# Allegro board GPS_INTERFACE_BOARDv36_PH.brd (continued)
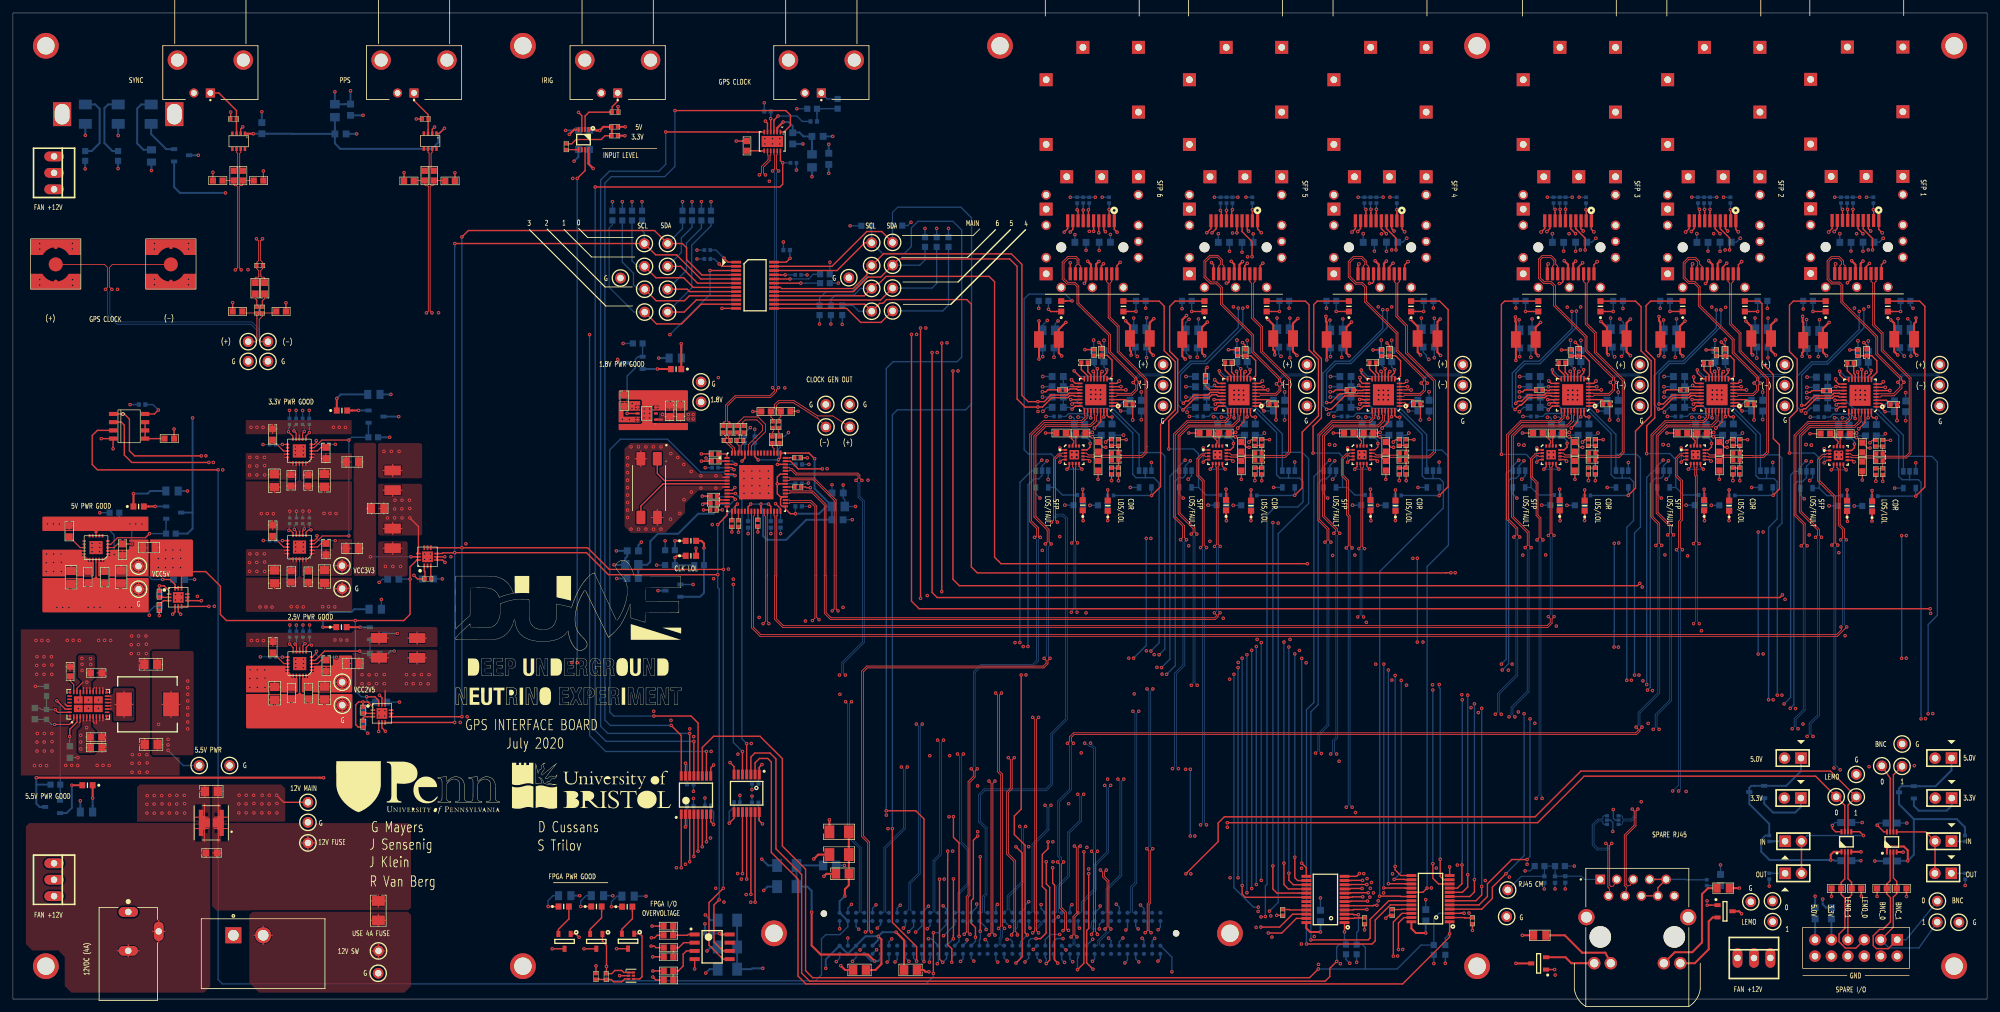
[diagram p0: board, top side]
## Nets (continued)
MOD_ABS_SFP INTERFACE_SFP6: J21.6 R232.2
N01450_SFP INTERFACE_SFP1: C152.1 U23.14
N01450_SFP INTERFACE_SFP2: C175.1 U27.14
N01450_SFP INTERFACE_SFP3: C198.1 U31.14
N01450_SFP INTERFACE_SFP4: C221.1 U35.14
N01450_SFP INTERFACE_SFP5: C244.1 U39.14
N01450_SFP INTERFACE_SFP6: C267.1 U43.14
N01454_SFP INTERFACE_SFP1: C152.2 U23.15
N01454_SFP INTERFACE_SFP2: C175.2 U27.15
N01454_SFP INTERFACE_SFP3: C198.2 U31.15
N01454_SFP INTERFACE_SFP4: C221.2 U35.15
N01454_SFP INTERFACE_SFP5: C244.2 U39.15
N01454_SFP INTERFACE_SFP6: C267.2 U43.15
N04910_SFP INTERFACE_SFP1: U22.1 U22.4
N04910_SFP INTERFACE_SFP2: U26.1 U26.4
N04910_SFP INTERFACE_SFP3: U30.1 U30.4
N04910_SFP INTERFACE_SFP4: U34.1 U34.4
N04910_SFP INTERFACE_SFP5: U38.1 U38.4
N04910_SFP INTERFACE_SFP6: U42.1 U42.4
N04977_SFP INTERFACE_SFP1: U22.5 U22.8
N04977_SFP INTERFACE_SFP2: U26.5 U26.8
N04977_SFP INTERFACE_SFP3: U30.5 U30.8
N04977_SFP INTERFACE_SFP4: U34.5 U34.8
N04977_SFP INTERFACE_SFP5: U38.5 U38.8
N04977_SFP INTERFACE_SFP6: U42.5 U42.8
N136741_SFP INTERFACE_SFP1: D17.1(CATHODE) R132.1
N136741_SFP INTERFACE_SFP2: D21.1(CATHODE) R153.1
N136741_SFP INTERFACE_SFP3: D25.1(CATHODE) R174.1
N136741_SFP INTERFACE_SFP4: D29.1(CATHODE) R195.1
N136741_SFP INTERFACE_SFP5: D33.1(CATHODE) R216.1
N136741_SFP INTERFACE_SFP6: D37.1(CATHODE) R237.1
N141568_SFP INTERFACE_SFP1: D17.2 R131.2 U24.4(Y)
N141568_SFP INTERFACE_SFP2: D21.2 R152.2 U28.4(Y)
N141568_SFP INTERFACE_SFP3: D25.2 R173.2 U32.4(Y)
N141568_SFP INTERFACE_SFP4: D29.2 R194.2 U36.4(Y)
N141568_SFP INTERFACE_SFP5: D33.2 R215.2 U40.4(Y)
N141568_SFP INTERFACE_SFP6: D37.2 R236.2 U44.4(Y)
N210584_SFP INTERFACE_SFP1: D16.1(K) R131.1 R133.1
N210584_SFP INTERFACE_SFP2: D20.1(K) R152.1 R154.1
N210584_SFP INTERFACE_SFP3: D24.1(K) R173.1 R175.1
N210584_SFP INTERFACE_SFP4: D28.1(K) R194.1 R196.1
N210584_SFP INTERFACE_SFP5: D32.1(K) R215.1 R217.1
N210584_SFP INTERFACE_SFP6: D36.1(K) R236.1 R238.1
N222361_SFP INTERFACE_SFP1: D18.1(K) R137.1 R139.1
N222361_SFP INTERFACE_SFP2: D22.1(K) R158.1 R160.1
N222361_SFP INTERFACE_SFP3: D26.1(K) R179.1 R181.1
N222361_SFP INTERFACE_SFP4: D30.1(K) R200.1 R202.1
N222361_SFP INTERFACE_SFP5: D34.1(K) R221.1 R223.1
N222361_SFP INTERFACE_SFP6: D38.1(K) R242.1 R244.1
N222457_SFP INTERFACE_SFP1: D19.2 R137.2 U25.4(Y)
N222457_SFP INTERFACE_SFP2: D23.2 R158.2 U29.4(Y)
N222457_SFP INTERFACE_SFP3: D27.2 R179.2 U33.4(Y)
N222457_SFP INTERFACE_SFP4: D31.2 R200.2 U37.4(Y)
N222457_SFP INTERFACE_SFP5: D35.2 R221.2 U41.4(Y)
N222457_SFP INTERFACE_SFP6: D39.2 R242.2 U45.4(Y)
N222469_SFP INTERFACE_SFP1: D19.1(CATHODE) R138.1
N222469_SFP INTERFACE_SFP2: D23.1(CATHODE) R159.1
N222469_SFP INTERFACE_SFP3: D27.1(CATHODE) R180.1
N222469_SFP INTERFACE_SFP4: D31.1(CATHODE) R201.1
N222469_SFP INTERFACE_SFP5: D35.1(CATHODE) R222.1
N222469_SFP INTERFACE_SFP6: D39.1(CATHODE) R243.1
PG_2V5: Q6.1 R61.1 U12.4
PG_3V3: Q5.1 R56.1 U9.4 U11.4
PG_5V: Q4.1 R50.1 U7.4
PG_5V5: Q3.1 R40.1 U6.31
PPS_OUT_N: R12.1 U2.6
PPS_OUT_P: R11.1 U2.7
R_N_SFP INTERFACE_SFP1: R130.2 U22.15
R_N_SFP INTERFACE_SFP2: R151.2 U26.15
R_N_SFP INTERFACE_SFP3: R172.2 U30.15
R_N_SFP INTERFACE_SFP4: R193.2 U34.15
R_N_SFP INTERFACE_SFP5: R214.2 U38.15
R_N_SFP INTERFACE_SFP6: R235.2 U42.15
R_P_SFP INTERFACE_SFP1: R128.2 U22.14
R_P_SFP INTERFACE_SFP2: R149.2 U26.14
R_P_SFP INTERFACE_SFP3: R170.2 U30.14
R_P_SFP INTERFACE_SFP4: R191.2 U34.14
R_P_SFP INTERFACE_SFP5: R212.2 U38.14
R_P_SFP INTERFACE_SFP6: R233.2 U42.14
RS_SFP INTERFACE_SFP1: J13.7 R129.2
RS_SFP INTERFACE_SFP2: J14.7 R150.2
RS_SFP INTERFACE_SFP3: J18.7 R171.2
RS_SFP INTERFACE_SFP4: J19.7 R192.2
RS_SFP INTERFACE_SFP5: J20.7 R213.2
RS_SFP INTERFACE_SFP6: J21.7 R234.2
RT_5V5: R42.1 U6.26
SFP_RD_N_SFP INTERFACE_SFP1: J13.12 TP56.1(TP) U23.4
SFP_RD_N_SFP INTERFACE_SFP2: J14.12 TP57.1(TP) U27.4
SFP_RD_N_SFP INTERFACE_SFP3: J18.12 TP58.1(TP) U31.4
SFP_RD_N_SFP INTERFACE_SFP4: J19.12 TP59.1(TP) U35.4
SFP_RD_N_SFP INTERFACE_SFP5: J20.12 TP60.1(TP) U39.4
SFP_RD_N_SFP INTERFACE_SFP6: J21.12 TP61.1(TP) U43.4
SFP_RD_P_SFP INTERFACE_SFP1: J13.13 TP50.1(TP) U23.5
SFP_RD_P_SFP INTERFACE_SFP2: J14.13 TP51.1(TP) U27.5
SFP_RD_P_SFP INTERFACE_SFP3: J18.13 TP52.1(TP) U31.5
SFP_RD_P_SFP INTERFACE_SFP4: J19.13 TP53.1(TP) U35.5
SFP_RD_P_SFP INTERFACE_SFP5: J20.13 TP54.1(TP) U39.5
SFP_RD_P_SFP INTERFACE_SFP6: J21.13 TP55.1(TP) U43.5
SFP_TD_N_SFP INTERFACE_SFP1: C141.2 J13.19 R122.2 R126.1
SFP_TD_N_SFP INTERFACE_SFP2: C164.2 J14.19 R143.2 R147.1
SFP_TD_N_SFP INTERFACE_SFP3: C187.2 J18.19 R164.2 R168.1
SFP_TD_N_SFP INTERFACE_SFP4: C210.2 J19.19 R185.2 R189.1
SFP_TD_N_SFP INTERFACE_SFP5: C233.2 J20.19 R206.2 R210.1
SFP_TD_N_SFP INTERFACE_SFP6: C256.2 J21.19 R227.2 R231.1
SFP_TD_P_SFP INTERFACE_SFP1: C140.2 J13.18 R121.2 R123.1
SFP_TD_P_SFP INTERFACE_SFP2: C163.2 J14.18 R142.2 R144.1
SFP_TD_P_SFP INTERFACE_SFP3: C186.2 J18.18 R163.2 R165.1
SFP_TD_P_SFP INTERFACE_SFP4: C209.2 J19.18 R184.2 R186.1
SFP_TD_P_SFP INTERFACE_SFP5: C232.2 J20.18 R205.2 R207.1
SFP_TD_P_SFP INTERFACE_SFP6: C255.2 J21.18 R226.2 R228.1
SPARE_BNC_CONN_0: P1.1 R109.1 TP79.1(TP) U51.2
SPARE_BNC_CONN_1: P1.3 R108.1 TP78.1(TP) U51.3
SPARE_LEMO_CONN_0: P1.5 R105.1 TP77.1(TP) U50.2
SPARE_LEMO_CONN_1: P1.7 R104.1 TP76.1(TP) U50.3
SPARE_RJ45_CM: C127.1 C128.1 C129.1 J17.P1 R116.1 R117.1 TP27.1(TP)
SQUELCH_SFP INTERFACE_SFP1: R135.1 U23.27
SQUELCH_SFP INTERFACE_SFP2: R156.1 U27.27
SQUELCH_SFP INTERFACE_SFP3: R177.1 U31.27
SQUELCH_SFP INTERFACE_SFP4: R198.1 U35.27
SQUELCH_SFP INTERFACE_SFP5: R219.1 U39.27
SQUELCH_SFP INTERFACE_SFP6: R240.1 U43.27
SS_2V5: C85.1 U12.13
SS_3V3_1: C65.1 U9.13
SS_3V3_2: C76.1 U11.13
SS_5V: C57.1 U7.13
SYNC_OUT_N: R16.1 U3.6
SYNC_OUT_P: R15.1 U3.7
TEMP_ADDR: R253.1 U46.5 U46.6 U46.7
THRADJ_SFP INTERFACE_SFP1: C153.2 R134.2 U23.9
THRADJ_SFP INTERFACE_SFP2: C176.2 R155.2 U27.9
THRADJ_SFP INTERFACE_SFP3: C199.2 R176.2 U31.9
THRADJ_SFP INTERFACE_SFP4: C222.2 R197.2 U35.9
THRADJ_SFP INTERFACE_SFP5: C245.2 R218.2 U39.9
THRADJ_SFP INTERFACE_SFP6: C268.2 R239.2 U43.9
VP2V5: C79.1 C80.1 C83.1 R58.1 TP19.1(TP) U12.1 U12.2(SNS) U12.19 U12.20 U13.11
VP3V3: R52.2 R53.1 R54.1 U10.11
VP5V: C54.1 C55.1 C56.1 C58.2 R45.1 R46.1 TP15.1(TP) U7.1 U7.2(SNS) U7.19 U7.20 U8.11 U8.12(VDD)
VP5V5: C49.1 C50.1 C51.1 C52.1 C53.1 C60.1 C61.1 C70.1 C71.1 C77.1 C78.1 L6.2 R41.1 TP11.1(TP) U6.1 U7.14 U7.15 U7.16 U7.17 U9.14 U9.15 U9.16 U9.17 U11.14 U11.15 U11.16 U11.17 U12.14 U12.15 U12.16 U12.17
VP12V: C40.1 C42.1 C43.1 C44.1 FL1.2 TP9.1(TP) U6.4 U6.5 U6.6 U6.21 U6.22 U6.23(VIN6) U6.25
VREF_SFP INTERFACE_SFP1: C154.1 U23.3(VREF)
VREF_SFP INTERFACE_SFP2: C177.1 U27.3(VREF)
VREF_SFP INTERFACE_SFP3: C200.1 U31.3(VREF)
VREF_SFP INTERFACE_SFP4: C223.1 U35.3(VREF)
VREF_SFP INTERFACE_SFP5: C246.1 U39.3(VREF)
VREF_SFP INTERFACE_SFP6: C269.1 U43.3(VREF)
N00534: C1.1 R2.2 R4.1
N00638: C3.1 U1.4
N01590: R9.1 U1.7
N02604: C5.1 R10.2 R265.2 R266.1 U47.1
N02878: R10.1 U47.5
N89867: R21.2 U48.25
N89871: R20.2 U48.4
N89889: R22.2 U48.3
N89893: R19.2 U48.48
N90109: R26.2 U48.19
N90113: R25.2 U48.17
N90529: R23.2 U48.11
N91101: C36.1 U48.59
N91105: C37.1 U48.58
N107878: R24.2 U48.39
N127138: C1.2 U1.3
N140138: L6.1 U6.12 U6.13 U6.14 U6.15 U6.16
N146225: C62.1 C63.1 C64.1 R52.1 TP17.1(TP) U9.1 U9.2(SNS) U9.19 U9.20
N146320: R63.1 U9.6
N146332: R65.1 U9.11
N146446: R64.1 U9.10
N169083: D12.1(K) R68.1
N169234: D10.1(K) R69.1
N179430: C34.1 U48.51
N179442: C35.1 U48.50
N180853: C34.2 R27.1
N180901: C35.2 R28.1
N183488: C2.1 R5.1 U1.8
N183510: C2.2 R3.1
N183546: C4.2 R6.1
N185241: C72.1 C73.1 C75.1 R54.2 U11.1 U11.2(SNS) U11.19 U11.20
N199881: D9.2 Q8.2(S)
N199921: D9.1(K) R66.1
N224328: U23.16 U25.1 U53.4
N224332: U23.22 U25.2 U53.5
N224336: J13.2 R124.2 U24.1 U53.7
N224340: J13.8 R125.2 U24.2 U53.6
N224392: U31.16 U33.1 U53.13
N224396: U31.22 U33.2 U53.14
N224400: J18.2 R166.2 U32.1 U53.16
N224404: J18.8 R167.2 U32.2 U53.15
N224424: U35.16 U37.1 U53.17
N224428: U35.22 U37.2 U53.18
N224432: J19.2 R187.2 U36.1 U53.20
N224436: J19.8 R188.2 U36.2 U53.19
N224456: U39.16 U41.1 U52.4
N224460: U39.22 U41.2 U52.5
N224464: J20.2 R208.2 U40.1 U52.7
N224468: J20.8 R209.2 U40.2 U52.6
N224484: U43.16 U45.1 U52.8
N224488: U43.22 U45.2 U52.9
N224492: J21.2 R229.2 U44.1 U52.11
N224496: J21.8 R230.2 U44.2 U52.10
N245271: D5.2 Q4.2(S)
N245311: D5.1(K) R51.1
N245859: D4.2 Q3.2(S)
N245899: D4.1(K) R44.1
N246142: D6.2 Q5.2(S)
N246182: D6.1(K) R57.1
N266416: J14.2 R145.2 U28.1 U53.11
N266420: J14.8 R146.2 U28.2 U53.10
N267255: U27.16 U29.1 U53.8
N267259: U27.22 U29.2 U53.9
N280018: D7.2 Q6.2(S)
N280022: D7.1(K) R62.1
N304882: C17.1 U6.2
N322365: R70.1 U9.5
N322369: R112.1 U9.7
N322373: R113.1 U9.9
N323562: R114.1 U11.5
N323566: R115.1 U11.6
N323570: R118.1 U11.7
N323574: R255.1 U11.9
N323578: R256.1 U11.10
N323582: R257.1 U11.11
N324301: C4.1 R5.2 U1.9
N325169: R259.1 U12.6
N325173: R260.1 U12.7
N325177: R261.1 U12.9
N325181: R262.1 U12.10
N325185: R263.1 U12.11
N325191: R258.1 U12.5
N326883: C33.2 U48.15
N326887: C32.2 U48.14
N326891: C31.2 U48.2
N326895: C30.2 U48.1
N334368: U14.1 U48.8
N334392: U14.2 U14.4 U48.7 U48.10
N339027: D2.2 Q1.2(S) R32.1
N339674: D1.1(CATHODE) R32.2 R33.1
N339693: D2.1(K) R34.1
N350589: J15.1 R110.1
N350593: J16.1 R111.1
N352210: J11.1 R106.1
N352214: J12.1 R107.1
N437368: J17.P6 J17.P7 J17.P8 J17.P9 R254.2
N437754: J17.P12 R43.2
N437768: J17.P13 R39.2
N575036: R93.1 U19.1
N575058: R94.1 U19.2
N575080: R95.1 U19.21
N575210: R102.1 U19.20
N575230: R103.1 U19.19
N576735: R81.1 U17.8
N576751: R82.1 U18.8
N634677: D11.2 Q9.2(S)
N634717: D11.1(K) R67.1
N635255: D8.2 Q7.2(S)
N635295: D8.1(K) R37.1
N637994: D15.2 Q12.2(S)
N638034: D15.1(CATHODE) R80.1
N638123: Q12.1 U15.4
N638285: R78.2 R79.1 U15.3
N638693: D14.2 Q11.2(S)
N638733: D14.1(K) R74.1
N639616: U14.3(HOT2) U48.9(XB)
N665913: C123.2 R254.1
N716142: J9.1 Q2.2(S)
N716972: J25.1 Q13.2(S)

Pads without a net: J8 C2 C3 C6 C7 C8 C19 C22 C23 D4 D5 D29 D30 D31 D33 D35 G6 G7 G28 G33 G34 H1 H2; U2 4 5 8; U3 4 5 8; U4 2; U6 11 27 28 29; U7 5 6 7 9 10 11 12; U8 9; U9 12; U10 2 9; U11 12; U12 12; U13 9; U15 5; U17 6 9; U22 13 16; U26 13 16; U30 13 16; U34 13 16; U38 13 16; U42 13 16; U47 6; U48 5 20 21 53 54 55 56; U49 7; U52 19 20

## Via types
v1: diameter 0.533, hole 0.254, TOP to BOTTOM, 1787 vias
v2: diameter 0.508, hole 0.254, TOP to BOTTOM, 30 vias
v3: diameter 0.56, hole 0.3, TOP to BOTTOM, 297 vias

## Routing (per net, layer and track width the routed paths; a pad name or vN(x,y) marks a point on that pad's centre or on a via; arc(x,y) is an arc through that point)
12V_CONN: length 10.9
  PWR1 w0.165: 32.61,9.86 S1.1 ; S1.1 34.03,11.27 ; S1.1 35.45,9.86 ; S1.1 34.03,8.44 ; J7.1 19.49,13.46 ; J7.1 17.81,12.53 ; J7.1 17.81,14.39 ; J7.1 16.12,13.46
12V_FUSE: length 15.8
  TOP w0.165: FL1.1 33.16,26.35 ; FL1.1 31.1,26.35 ; FL1.1 31.71,26.96 ; FL1.1 31.71,24.3 ; F1.2 56.41,16.09 ; F1.2 57.59,15.17 ; F1.2 56.41,14.24 ; F1.2 55.24,15.17 ; TP10.1 46.55,24.13 ; TP10.1 44.54,24.13 ; TP10.1 45.54,25.13 ; TP10.1 45.54,23.13 ; C41.1 31.52,23.3 ; C41.1 32.23,22.58 ; C41.1 30.82,22.58 ; C41.1 31.52,21.86
12V_SW: length 39.3
  TOP w0.165: 38.63,8.44 S1.2 ; S1.2 40.05,9.86 ; S1.2 37.21,9.86 ; S1.2 38.63,11.27 ; F1.1 57.59,12.17 ; F1.1 56.41,11.24 ; F1.1 56.41,13.09 ; F1.1 55.24,12.17 ; TP14.1 57.44,7.44 ; TP14.1 56.44,8.45 ; TP14.1 56.44,6.44 ; TP14.1 55.44,7.44
  PWR2 w0.165: 267.88,6.35 J29.2 ; J29.2 268.81,4.66 ; J29.2 269.74,6.35 ; J29.2 268.81,8.04 ; TP14.1 57.44,7.44 ; TP14.1 56.44,8.45 ; TP14.1 55.44,7.44 ; TP14.1 56.44,6.44 ; J28.2 8.04,18.44 ; J28.2 6.35,19.37 ; J28.2 6.35,17.51 ; J28.2 4.66,18.44 ; S1.2 38.63,11.27 ; S1.2 38.63,8.44 ; S1.2 40.05,9.86 ; S1.2 37.21,9.86 ; J27.2 6.35,128.62 ; J27.2 4.66,127.69 ; J27.2 8.04,127.69 ; J27.2 6.35,126.75
GND_IN: length 17.3
  TOP w0.165: 22.51,8.77 J7.3 ; J7.3 21.57,10.46 ; J7.3 22.51,12.15 ; J7.3 23.44,10.46 ; 29.79,21.86 C41.2 ; C41.2 29.09,22.58 ; C41.2 29.79,23.3 ; 16.12,7.46 J7.2 ; J7.2 19.49,7.46 ; J7.2 17.81,6.53 ; J7.2 17.81,8.39 ; FL1.4 29.56,26.96 ; FL1.4 28.1,26.35 ; FL1.4 29.56,24.3 ; FL1.4 30.16,26.35
GND_POWER: length 3419
  TOP w0.165: 40.08,87.41 C76.2 ; C76.2 40.08,88.82 ; C76.2 39.36,88.11 ; C76.2 40.8,88.11 ; TP18.1 51.83,63.42 ; TP18.1 50.83,64.43 ; TP18.1 49.82,63.42 ; TP18.1 50.83,62.42 ; 44.85,79.27 C72.2 ; C72.2 46.29,79.27 ; C72.2 45.57,78.57 ; 60.96,55.78 C81.2 ; C81.2 62.41,56.72 ; C81.2 63.86,55.78 ; C81.2 62.41,54.84 ; U6.20 12.38,47.94 12.57,48.13 ; 8.82,43.39 U6.39 8.45,43.76 ; 13.72,49.68 C43.2 ; C43.2 13.01,50.39 ; C43.2 14.42,50.39 ; C43.2 13.72,51.11 ; 49.85,45.42 TP20.1 ; TP20.1 50.85,44.41 ; TP20.1 51.85,45.42 ; TP20.1 50.85,46.42 ; C73.2 49.01,79.16 ; C73.2 48.08,78.33 ; C73.2 47.15,79.16 ; 44.87,64.41 C62.2 ; C62.2 46.31,64.41 ; C62.2 45.59,63.71 ; 8.16,51.37 R42.2 ; R42.2 9.47,51.37 ; R42.2 8.81,52.03 ; R42.2 8.81,50.72 ; C65.2 40.11,73.96 ; C65.2 39.39,73.26 ; C65.2 40.82,73.26 ; C65.2 40.11,72.55 ; C40.2 29.63,33.01 ; C40.2 28.8,32.08 ; C40.2 29.63,31.15 ; v1(10.09,46.23) 10.38,46.52 U6.24 ; C70.2 41.29,79.11 ; C70.2 40.36,78.28 ; C70.2 39.43,79.11 ; 56.52,54.86 C82.2 ; C82.2 56.52,56.74 ; C82.2 55.07,55.8 ; C82.2 57.96,55.8 ; 47.2,46.29 C80.2 ; C80.2 49.06,46.29 ; C80.2 48.13,45.47 ; 44.9,46.4 C79.2 ; C79.2 46.34,46.4 ; C79.2 45.62,45.7 ; C77.2 41.34,46.24 ; C77.2 40.41,45.42 ; C77.2 39.48,46.24 ; 12.88,42.62 12.88,42.63 U6.8 ; U7.18 12.83,67.49 ; C49.2 20.29,52.67 ; C49.2 19.46,51.74 ; C49.2 20.29,50.81 ; 39.46,64.25 C61.2 ; C61.2 41.31,64.25 ; C61.2 40.39,63.42 ; 58.62,80.75 C67.2 ; C67.2 58.62,82.63 ; C67.2 57.17,81.69 ; C67.2 60.07,81.69 ; 57.17,69.67 C66.2 ; C66.2 58.62,70.61 ; C66.2 60.07,69.67 ; C66.2 58.62,68.73 ; 8.45,47.38 U6.42 8.82,47.75 ; 8.04,64.18 C52.2 ; C52.2 9.89,64.18 ; C52.2 8.97,63.35 ; 19.41,62.34 TP16.1 ; TP16.1 18.4,63.35 ; TP16.1 19.41,64.35 ; TP16.1 20.41,63.35 ; v1(111,72.19) R25.1 ; C85.2 40.85,55.25 ; C85.2 40.13,54.54 ; C85.2 39.41,55.25 ; C85.2 40.13,55.95 ; U11.8 44.22,87.17 ; 122.18,83.64 122.15,83.67 ; C21.2 102.12,91.77 ; C21.2 101.4,92.48 ; C21.2 100.68,91.77 ; C21.2 101.4,91.07 ; 20.34,38.42 C50.2 ; C50.2 19.51,39.34 ; C50.2 20.34,40.27 ; 8.69,72.48 C57.2 ; C57.2 8.69,73.88 ; C57.2 7.97,73.18 ; C57.2 9.41,73.18 ; 103.07,91.07 C275.2 ; C275.2 103.79,91.77 ; C275.2 102.35,91.77 ; C275.2 103.07,92.48 ; U9.18 44.25,67.56 ; 14.81,47.38 U6.41 14.45,47.75 ; 13.72,38.14 C42.2 ; C42.2 13.72,39.58 ; C42.2 14.42,38.86 ; 11.56,63.66 C53.2 ; C53.2 10.84,64.36 ; C53.2 12.28,64.36 ; U6.19 12.88,48.15 12.88,48.16 ; 48.11,63.48 C63.2 ; C63.2 49.04,64.3 ; C63.2 47.18,64.3 ; 15.76,64.23 C55.2 ; C55.2 16.69,63.4 ; C55.2 17.62,64.23 ; U6.10 13.88,43.01 13.89,43 ; 13.69,39.77 C44.2 ; C44.2 13.69,41.21 ; C44.2 14.4,40.49 ; 42.28,46.43 C78.2 ; C78.2 43,45.73 ; C78.2 43.72,46.43 ; 99.27,91.1 U4.3 ; U4.3 99.74,91.45 ; U4.3 99.27,91.8 ; C54.2 14.89,64.34 ; C54.2 13.45,64.34 ; C54.2 14.17,63.63 ; 42.23,79.3 C71.2 ; C71.2 42.95,78.59 ; C71.2 43.67,79.3 ; 42.26,64.44 C60.2 ; C60.2 42.98,63.73 ; C60.2 43.7,64.44 ; 13.39,48.11 13.38,48.11 U6.18 ; 10.21,42.65 10.38,42.82 U6.3 ; U7.8 12.83,72.24 ; R17.2 v1(38.67,127.98) ; R26.1 v1(112.01,72.16) ; 13.87,48.11 13.88,48.09 U6.17 ; U9.8 44.25,72.31 ; FL1.3 30.16,28.1 ; FL1.3 29.56,30.16 ; FL1.3 28.1,28.1 ; 14.81,43.76 U6.40 14.45,43.39 ; U12.8 44.27,54.31 ; C274.2 95.1,93.32 ; C274.2 93.66,93.32 ; C274.2 94.38,94.02 ; 97.87,91.73 U4.7 97.87,89.27 ; 12.62,42.62 12.38,42.86 U6.7 ; U11.18 44.22,82.42 ; R18.2 v1(30.87,127.78) ; R21.1 v1(115.01,72.19) ; 13.39,43.03 13.38,43.03 U6.9 ; U12.18 44.27,49.56
  TOP w0.17: R128.1 284.56,87.38 v3(284.66,87.48) ; v3(166.24,83.13) 166,83.37 U42.9 ; R147.2 v3(265.56,80.14) ; v3(262.92,88.24) 263.87,89.19 U27.30 ; v3(168.71,86.08) 169.08,86.45 R228.2 ; U23.30 285.94,89.09 v3(284.99,88.14) ; R210.2 v3(191.74,80.14) ; R126.2 v3(287.63,80.04) ; v3(213.13,86.08) 213.51,86.45 R186.2 ; R144.2 265.02,86.45 v3(264.64,86.08) ; v3(242.34,86.08) 242.72,86.45 R165.2 ; U38.9 188.13,83.37 v3(188.37,83.13) ; U35.6 v3(215.86,94.15) ; v3(240.29,87.58) 240.19,87.48 R170.1 ; R123.2 287.09,86.35 v3(286.72,85.98) ; U35.7 v3(215.32,94.65) ; v3(190.83,86.08) 191.2,86.45 R207.2 ; C269.2 v3(172.89,89.5) ; v3(215.21,95.51) 214.85,95.15 U35.8 ; R168.2 v3(243.26,80.14) ; R212.1 188.68,87.48 v3(188.78,87.58) ; R231.2 v3(169.62,80.14) ; v3(262.59,87.58) 262.49,87.48 R149.1 ; R233.1 166.55,87.48 v3(166.65,87.58) ; v3(189.1,88.24) 190.06,89.19 U39.30 ; R189.2 v3(214.05,80.14) ; C223.2 v3(217.31,89.5)
  TOP w0.203: U17.7 111.33,35.94 v1(110.72,36.55) ; R253.2 v1(24.88,88.1) ; R7.2 v1(33.92,107.63) ; v1(106.5,76.45) 106.68,76.63 C33.1 ; R134.1 v1(283.62,100.32) ; R73.1 v1(98.68,11.28) ; v3(185.65,91.95) 185.85,92.15 U39.23 ; U13.5 56.97,41.91 v1(57.51,41.38) ; v3(166.8,97) 166.93,96.87 U43.13 ; J19.10 207.27,119.07 v3(206.75,118.54) ; J19.9 208.07,119.07 v3(207.62,118.62) ; v1(192.74,118.44) 192.17,119 J20.1 ; v1(162.31,118.52) 162.85,119.05 J21.10 ; U1.5 116.5,135.37 v1(116.18,135.69) ; J14.9 259.61,119.09 v3(259.14,118.62) ; v3(262.18,83.13) 261.94,83.37 U26.9 ; J20.14 187.77,110.85 187.56,110.64 v1(187.35,110.64) ; v3(280.33,118.54) 280.88,119.09 J13.10 ; v1(165.43,110.62) 165.65,110.84 J21.14 ; U52.12 207.46,18.97 v1(207.9,19.41) ; v3(241.78,96.98) 241.57,96.76 U31.11 ; J19.11 207.67,113.47 v3(207.82,113.61) ; R268.2 v1(33.61,137.08) ; v3(211.08,87.58) 210.98,87.48 R191.1 ; R79.2 v1(90.02,5.13) ; J13.1 288.08,118.95 v3(288.62,118.41) ; U39.11 190.06,96.76 v3(190.27,96.98) ; U18.9 107.74,35.73 v1(108.18,36.17) ; v1(211.96,12.5) 212.4,12.94 R248.2 ; U23.23 281.73,92.04 v3(281.53,91.85) ; v3(288.98,113.97) 288.48,113.48 J13.20 ; C200.2 v3(246.52,89.5) ; v3(258.26,118.54) 258.81,119.09 J14.10 ; U43.11 167.93,96.76 v3(168.15,96.98) ; v1(170.94,113.84) 170.45,113.35 J21.20 ; R220.2 184.12,97.36 v1(184.38,97.61) ; v3(281.41,113.61) 281.28,113.49 J13.11 ; v1(98.53,8.18) 99.02,8.18 99.25,7.95 R72.1 ; v3(244.6,113.97) 244.11,113.48 J18.20 ; J14.17 264.01,113.13 v1(264.6,113.73) ; R30.2 v1(121.23,90.83) ; J13.9 281.68,119.09 v3(281.21,118.62) ; R218.1 v1(187.66,100.35) ; v3(192.91,95.51) 192.55,95.15 U39.8 ; v3(259.46,91.95) 259.66,92.15 U27.23 ; C177.2 v3(268.82,89.5) ; R178.2 233.4,94.13 233.12,93.85 v3(232.59,93.85) ; v1(213.08,113.72) 212.47,113.11 J19.17 ; U35.17 208.36,95.15 207.98,95.53 v3(207.98,96.04) ; U2.2 64.74,134.41 v1(65.1,134.77) ; U35.30 212.36,89.19 v3(211.4,88.24) ; R155.1 v1(261.42,100.32) ; U47.3 87.84,136.52 v1(87.33,137.03) ; v1(190.58,113.72) 190.17,113.31 J20.17 ; C245.1 190.25,101.04 v1(189.84,101.45) ; v1(254.97,93.8) 255.32,94.16 R157.2 ; U43.17 164.01,95.15 v3(163.45,95.71) ; v1(15.46,85.04) U46.4 v1(13.64,86.61) ; J21.9 163.65,118.95 v1(163.25,118.54) ; R136.2 277.77,94.03 277.5,93.75 v3(276.96,93.75) ; U19.12 v1(109.47,106.74) ; v1(25.9,59.47) 25.53,59.84 U8.5 ; U30.9 239.64,83.37 v3(239.88,83.13) ; J18.1 243.71,118.95 v3(244.09,118.57) ; R14.2 v1(60.39,127.72) ; U43.23 163.72,92.15 v3(163.53,91.95) ; R249.2 v1(225.35,10.62) ; v1(170.48,118.52) 170.05,118.95 J21.1 ; 122.15,83.67 R19.1 ; C199.1 241.76,100.97 v1(241.23,101.5) ; v3(259.51,96.14) 259.51,95.45 259.82,95.15 U27.17 ; v1(24.66,59.49) 25.03,59.85 U8.4 ; R239.1 v1(165.51,100.37) ; U22.9 284.01,83.27 v3(284.25,83.03) ; v3(262.74,97) 262.87,96.87 U27.13 ; U49.4 v1(105.25,4.65) ; R109.2 v1(287.82,15.86) ; U27.7 v3(266.83,94.65) ; v1(286.64,113.69) 286.08,113.13 J13.17 ; R49.1 v1(22.61,59.26) ; R9.2 v1(111.67,132.6) ; v3(212.57,96.98) 212.36,96.76 U35.11 ; v3(170.79,95.51) 170.43,95.15 U43.8 ; U23.6 v3(289.79,94.04) ; v1(66.67,68.35) U10.5 U10.4 66.34,67.85 v1(66.7,67.49) ; v3(237.13,95.53) 237.52,95.15 U31.17 ; U31.6 v3(245.24,94.15) ; v1(192.98,113.72) 192.57,113.31 J20.20 ; U23.17 281.89,95.04 281.43,95.5 v3(281.43,95.83) ; v3(264.08,96.98) 263.87,96.76 U27.11 ; v1(263.77,101.54) 264.34,100.97 C176.1 ; v1(261.33,110.58) 261.61,110.86 J14.14 ; v3(235.96,118.54) 236.51,119.09 J18.10 ; R8.2 v1(42.15,107.61) ; R176.1 v1(239.1,100.32) ; C268.1 168.1,101.04 v1(167.67,101.47) ; J14.20 266.41,113.48 v3(266.9,113.97) ; C31.1 107.22,83.13 107.21,83.13 106.81,83.13 106.81,83.13 v1(106.3,83.13) ; J13.14 283.68,111.14 v1(283.24,110.69) ; v3(259.33,113.61) 259.21,113.49 J14.11 ; U35.13 211.36,96.87 v3(211.23,97) ; 8.05,45.62 8.35,45.32 U6.30 ; U31.23 237.36,92.15 v3(237.16,91.95) ; U39.17 186.11,95.15 v3(185.55,95.71) ; J18.11 236.91,113.49 v3(237.03,113.61) ; U31.30 241.57,89.19 v3(240.61,88.24) ; v1(184.33,118.44) 184.97,119.09 J20.10 ; J18.9 237.31,119.09 v3(236.83,118.62) ; v1(185.06,113.82) 185.37,113.51 J20.11 ; U27.6 v3(267.64,94.15) ; v3(203.38,93.85) 203.91,93.85 204.19,94.13 R199.2 ; J19.1 214.47,118.98 v3(214.88,118.57) ; v3(193.02,94.65) U39.7 ; C30.1 v1(106.3,84.25) ; J18.14 239.31,110.86 239.04,110.59 v1(238.76,110.59) ; v1(212.14,101.4) 212.57,100.97 C222.1 ; v3(158.95,93.85) 159.49,93.85 159.79,94.16 R241.2 ; R267.2 v1(62.28,136.02) ; v3(207.95,91.95) 208.15,92.15 U35.23 ; U13.4 v1(56.47,41.35) ; U27.8 266.36,95.15 v3(266.72,95.51) ; v3(266.4,118.57) 266.01,118.95 J14.1 ; U31.8 244.06,95.15 v3(244.42,95.51) ; C153.1 286.21,101.02 v1(285.78,101.45) ; U23.13 284.94,96.77 v3(284.81,96.9) ; U23.7 v3(289.08,94.54) ; R264.2 v1(93.41,137.92) ; U43.6 v3(171.83,94.15) ; J18.17 241.71,113.13 v1(242.35,113.78) ; U31.7 v3(244.53,94.65) ; v3(166.98,88.24) 167.93,89.19 U43.30 ; v1(185.14,118.41) 185.77,119.05 J20.9 ; U43.7 v3(171.07,94.65) ; U15.2 v1(93.68,3.61) ; v1(35.48,134.8) 35.17,134.49 U3.2 ; U39.6 v3(193.75,94.15) ; J19.20 214.87,113.45 v3(215.39,113.97) ; v1(122.66,83.64) 122.18,83.64 ; J21.11 v1(163.25,113.8) ; U31.13 240.57,96.87 v3(240.44,97) ; R250.2 v1(208.69,10.69) ; v1(209.45,110.62) 209.85,110.62 210.07,110.84 J19.14 ; U53.12 v1(221.82,20.42) ; v3(286.16,96.88) 285.94,96.66 U23.11 ; R197.1 v1(209.99,100.32) ; R29.2 v1(114.25,90.81) ; R104.2 v1(285.38,15.91) ; v1(168.38,113.64) 168.05,113.31 J21.17 ; R71.1 v1(98.81,4.34) ; v3(210.67,83.13) 210.43,83.37 U34.9 ; U39.13 189.06,96.87 v3(188.93,97) ; C154.2 v3(290.9,89.4) ; R108.2 v1(292.37,15.86) ; U23.8 288.43,95.04 v3(288.8,95.4) ; R23.1 v1(106.63,75.59) ; R105.2 v1(280.78,15.86) ; C246.2 v3(195.01,89.5) ; R13.2 v1(68.24,127.7) ; v1(106.43,77.72) C32.1
  TOP w0.305: C107.2 124.33,22.33 v1(123.65,21.64) ; v1(125.22,18.97) 125.6,19.35 C105.2 ; U47.4 86.64,134.37 v1(85.9,133.63) ; C106.2 v1(126.06,27.71) ; U51.4 291.33,22.73 291.35,22.71 v1(291.85,22.71) ; C101.2 128.47,4.5 v1(127.81,5.16) ; U50.4 v1(285.34,22.76) ; C100.2 140.6,4.5 140.88,4.22 v1(141.43,4.22) ; R39.1 v1(266.57,17.14) ; R43.1 v1(233.04,9.86)